# Altium PCB RockerBox_1_SiC780A_Rev01.PcbDoc (part 4 of 5)
Units mil, origin at the board's own origin, x right, y up, seen from the top; angles counter-clockwise.
Board outline 3937.01 x 3937.01 mil, 4 copper layers (L1, L2, L3, L4), stack 62.087 mil thick; 390 components, 96 nets, 1487 pads, 1631 vias.
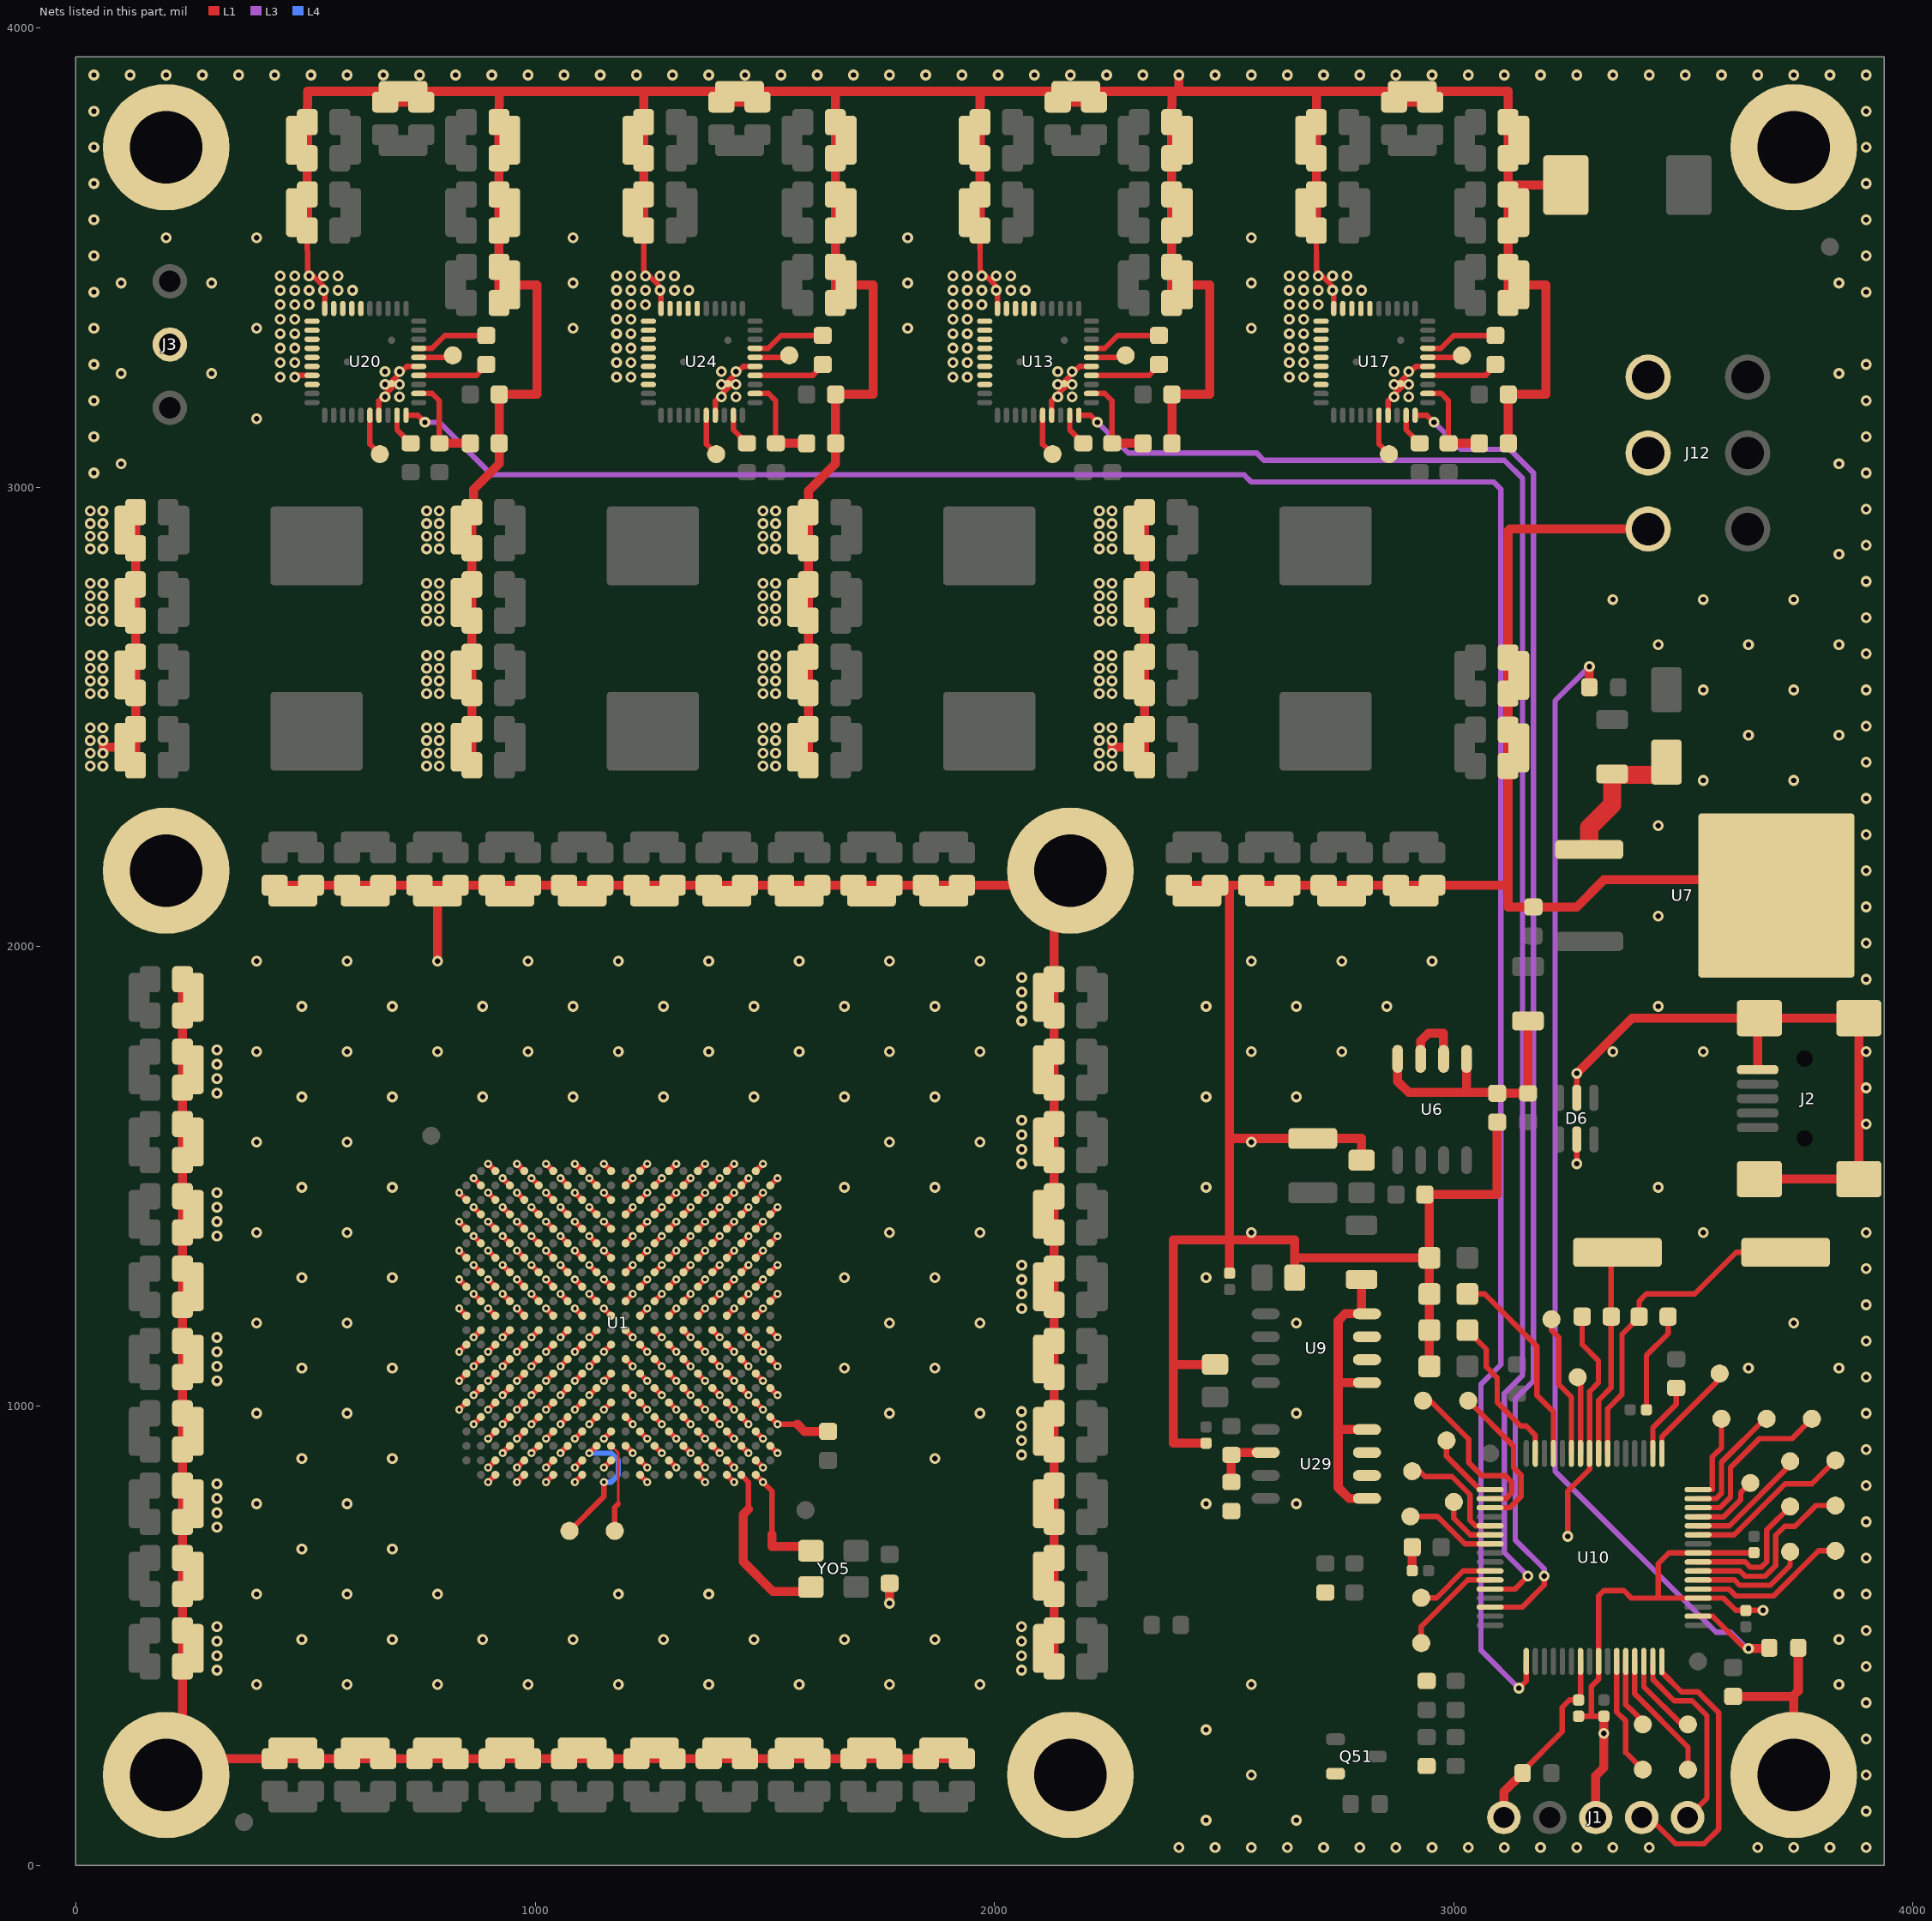
[diagram p6: the nets of this part, all layers, seen from the top]

## Via types
v1: diameter 23.62/23.62/23.62 (per signal layer), hole 11.81, L1 to L4, 1168 vias
v2: diameter 17.72/17.72/17.72 (per signal layer), hole 7.87, L1 to L4, 463 vias

## Nets (pads, with @x,y where several pads share a name; then routed paths per layer and width w, separated by ;. In a path a pad name is that pad's centre, name@x,y a point inside that pad or via, vN(x,y) a via of type N, cw(c..) or ccw(c..) an arc to the next point about the centre after c; other vN are vias at no path point) (continued)
GND: C1.1 C2.2 C3.2 C4.2 C5.2 C6.2 C7.2 C8.2 C9.2 C10.2 C11.2 C12.2 C13.1 C14.2 C15.2 C16.2 C17.2 C18.1 C19.1 C20.2 C21.2 C22.1 C23.2 C24.2 C25.2 C26.2 C36.1 C37.2 C38.2 C39.2 C40.2 C41.1 C42.1 C43.1 C47.1 C49.2 C50.2 C51.2 C52.2 C54.1 C58.2 C62.1 C63.1 C65.2 C66.2 C67.2 C68.2 C69.2 C70.2 C71.2 C74.1 C75.1 C76.1 C77.1 C78.1 C79.1 C80.1 C81.1 C85.1 C89.2 C90.2 C91.2 C92.1 C94.2 C95.2 C96.1 C97.2 C98.2 C99.1 C100.2 C101.1 C102.1 C106.2 C107.1 C108.2 C109.2 C110.2 C111.2 C112.2 C113.2 C114.2 C115.2 C116.2 C117.1 C118.2 C119.2 C120.2 C121.2 C122.2 C123.2 C124.2 C126.2 C127.2 C128.2 C130.2 C131.2 C132.1 C133.1 C134.1 C138.2 C139.2 C140.1 C141.2 C142.2 C143.1 C144.2 C145.2 C146.1 C147.2 C148.1 C149.1 C150.1 C151.1 C152.1 C153.1 C154.1 C155.1 C156.1 C157.1 C158.1 C159.1 C160.1 C161.1 C162.1 C163.1 C164.1 C165.1 C166.2 C167.1 C168.1 C169.2 C170.2 C172.2 C173.2 C174.1 C175.2 C176.2 C177.1 C178.1 C179.1 C180.1 C181.1 C182.1 C183.1 C184.1 C185.1 C186.1 C187.2 C188.2 C189.1 C190.2 C191.2 C192.1 C193.2 C194.2 C195.1 C196.2 C197.2 C199.2 C200.2 C202.2 C203.2 C205.2 C206.1 C207.1 C208.1 C209.1 C210.1 C211.1 C212.1 C213.1 C214.1 C215.1 C216.1 C217.1 C218.1 C219.1 C220.1 C221.1 C222.1 C223.1 C224.1 C225.1 C226.1 C227.1 C228.1 C229.1 C230.1 C231.2 C232.2 C233.1 C234.1 C235.1 C236.1 C237.1 C238.1 C239.1 C240.1 C241.1 C242.1 C243.1 C244.1 C245.1 C246.1 C247.1 C248.1 C249.1 C250.1 C251.1 C252.1 C253.1 C254.1 C255.1 C256.1 C258.1 C259.1 C260.1 C261.1 C262.1 C263.2 C264.2 C265.2 C266.2 C267.1 C268.2 C269.2 C270.1 C271.2 C272.2 C273.1 C274.2 C275.2 C276.1 C331.2 C332.2 C333.2 C334.2 C347.2 C373.1 C374.1 C375.1 C376.1 C377.1 C378.2 C379.2 C380.2 C381.1 C382.1 C397.1 C398.1 C399.1 C400.1 C401.1 C404.1 C405.1 C406.1 C407.1 C596.1 C598.2 C599.1 C600.2 C602.1 C603.2 C605.1 C606.2 C640.2 C642.2 C652.2 C653.1 C654.2 C655.2 C656.1 C657.2 C658.2 C659.1 C660.2 C661.2 C662.1 C663.2 C664.2 C665.1 C666.2 C667.2 C668.1 C669.2 C711.2 C814.2 D1.1 D2.1 D3.1 D4.1 D6.2 D6.5 D28.2 J1.3 J2.5 J2.6 J2.7 J2.8 J2.9 J3.2 J9.1 J12.4 J12.5 J12.6 J13.1 J14.1 J15.1 J22.1 J23.1 J24.1 Q51.2 R5.1 R8.2 R22.2 R28.2 R29.2 U1.A2 U1.A4 U1.A6 U1.A8 U1.A10 U1.A12 U1.A14 U1.A16 U1.A18 U1.A20 U1.AA2 U1.AA4 U1.AA6 U1.AA8 U1.AA10 U1.AA12 U1.AA14 U1.AA16 U1.AA18 U1.AB3 U1.AB5 U1.AB7 U1.AB9 U1.AB11 U1.AB13 U1.AB15 U1.AB17 U1.B1 U1.B3 U1.B5 U1.B7 U1.B9 U1.B11 U1.B13 U1.B15 U1.B17 U1.B19 U1.B21 U1.B22 U1.C2 U1.C4 U1.C6 U1.C8 U1.C10 U1.C12 U1.C14 U1.C16 U1.C18 U1.C20 U1.D1 U1.D3 U1.D5 U1.D7 U1.D9 U1.D11 U1.D13 U1.D15 U1.D17 U1.D19 U1.D21 U1.D22 U1.E2 U1.E4 U1.E6 U1.E8 U1.E10 U1.E12 U1.E14 U1.E16 U1.E18 U1.E20 U1.F1 U1.F3 U1.F5 U1.F7 U1.F9 U1.F11 U1.F13 U1.F15 U1.F17 U1.F19 U1.F21 U1.F22 U1.G2 U1.G4 U1.G6 U1.G8 U1.G10 U1.G12 U1.G14 U1.G16 U1.G18 U1.G20 U1.H1 U1.H3 U1.H5 U1.H7 U1.H9 U1.H11 U1.H13 U1.H15 U1.H17 U1.H19 U1.H21 U1.H22 U1.J2 U1.J4 U1.J6 U1.J8 U1.J10 U1.J12 U1.J14 U1.J16 U1.J18 U1.J20 U1.K1 U1.K3 U1.K5 U1.K7 U1.K9 U1.K11 U1.K13 U1.K15 U1.K17 U1.K19 U1.K21 U1.K22 U1.L2 U1.L4 U1.L6 U1.L8 U1.L10 U1.L12 U1.L14 U1.L16 U1.L18 U1.L20 U1.M1 U1.M3 U1.M5 U1.M7 U1.M9 U1.M11 U1.M13 U1.M15 U1.M17 U1.M19 U1.M21 U1.N2 U1.N4 U1.N6 U1.N8 U1.N10 U1.N12 U1.N14 U1.N16 U1.N18 U1.P1 U1.P3 U1.P5 U1.P7 U1.P9 U1.P11 U1.P13 U1.P15 U1.P17 U1.P19 U1.P21 U1.P22 U1.R2 U1.R4 U1.R6 U1.R8 U1.R10 U1.R12 U1.R14 U1.R16 U1.R18 U1.R20 U1.T1 U1.T3 U1.T5 U1.T7 U1.T9 U1.T11 U1.T13 U1.T15 U1.T17 U1.T19 U1.T21 U1.T22 U1.U2 U1.U4 U1.U6 U1.U8 U1.U10 U1.U12 U1.U14 U1.U16 U1.U18 U1.U20 U1.V1 U1.V3 U1.V5 U1.V7 U1.V9 U1.V11 U1.V13 U1.V15 U1.V17 U1.V19 U1.V21 U1.V22 U1.W2 U1.W4 U1.W6 U1.W8 U1.W10 U1.W12 U1.W14 U1.W16 U1.W18 U1.W20 U1.Y1 U1.Y3 U1.Y5 U1.Y7 U1.Y9 U1.Y11 U1.Y13 U1.Y15 U1.Y17 U1.Y19 U1.Y21 U1.Y22 U6.6 U6.7 U7.4 U9.6 U9.7 U10.9 U10.20 U10.25 U10.41 U13.5 U13.16 U13.17 U13.18 U13.19 U13.20 U13.21 U13.22 U13.23 U13.24 U13.25 U13.26 U13.27 U13.28 U13.37 U13.41 U17.5 U17.16 U17.17 U17.18 U17.19 U17.20 U17.21 U17.22 U17.23 U17.24 U17.25 U17.26 U17.27 U17.28 U17.37 U17.41 U20.5 U20.16 U20.17 U20.18 U20.19 U20.20 U20.21 U20.22 U20.23 U20.24 U20.25 U20.26 U20.27 U20.28 U20.37 U20.41 U24.5 U24.16 U24.17 U24.18 U24.19 U24.20 U24.21 U24.22 U24.23 U24.24 U24.25 U24.26 U24.27 U24.28 U24.37 U24.41 U29.6 U29.7 YO5.2 | length 36519
  L1 w11.81: v1(476.38,3240.16) 476.38,3243.69 U20.27@514.23,3243.69 ; C711.2@503.94,3559.06 504.39,3472.44 541.79,3435.04 U20.20@541.79,3389.36 ; U20.37@659.9,3157.07 659.9,3188.98 670.5,3199.58 688.98,3218.05 688.98,3224.45 U20.41@687.46,3225.97 687.46,3230.36 693.12,3236.02 706.9,3249.8 720.47,3263.37 U20.5@746.51,3263.37 ; v2(834.65,992.13) U1.AB17@850.39,1007.87 ; v2(834.65,1055.12) U1.AB15@850.39,1070.87 ; v2(834.65,1118.11) U1.AB13@850.39,1133.86 ; v2(834.65,1212.6) U1.AB11@850.39,1196.85 ; v2(834.65,1275.59) U1.AB9@850.39,1259.84 ; v2(834.65,1338.58) U1.AB7@850.39,1322.83 ; v2(834.65,1401.57) U1.AB5@850.39,1385.83 ; v2(834.65,1464.57) U1.AB3@850.39,1448.82 ; v2(866.14,960.63) U1.AA18@881.89,976.38 ; v2(866.14,1023.62) U1.AA16@881.89,1039.37 ; v2(866.14,1086.61) U1.AA14@881.89,1102.36 ; v2(866.14,1149.61) U1.AA12@881.89,1165.35 ; v2(866.14,1244.09) U1.AA10@881.89,1228.35 ; v2(866.14,1307.09) U1.AA8@881.89,1291.34 ; v2(866.14,1370.08) U1.AA6@881.89,1354.33 ; v2(866.14,1433.07) U1.AA4@881.89,1417.32 ; v2(866.14,1496.06) U1.AA2@881.89,1480.31 ; v2(897.64,834.65) U1.Y22@913.39,850.39 ; v2(897.64,866.14) U1.Y21@913.39,881.89 ; v2(897.64,929.13) U1.Y19@913.39,944.88 ; v2(897.64,992.13) U1.Y17@913.39,1007.87 ; v2(897.64,1055.12) U1.Y15@913.39,1070.87 ; v2(897.64,1118.11) U1.Y13@913.39,1133.86 ; v2(897.64,1212.6) U1.Y11@913.39,1196.85 ; v2(897.64,1275.59) U1.Y9@913.39,1259.84 ; v2(897.64,1338.58) U1.Y7@913.39,1322.83 ; v2(897.64,1401.57) U1.Y5@913.39,1385.83 ; v2(897.64,1464.57) U1.Y3@913.39,1448.82 ; v2(897.64,1527.56) U1.Y1@913.39,1511.81 ; v2(929.13,897.64) U1.W20@944.88,913.39 ; v2(929.13,960.63) U1.W18@944.88,976.38 ; v2(929.13,1023.62) U1.W16@944.88,1039.37 ; v2(929.13,1086.61) U1.W14@944.88,1102.36 ; v2(929.13,1149.61) U1.W12@944.88,1165.35 ; v2(929.13,1244.09) U1.W10@944.88,1228.35 ; v2(929.13,1307.09) U1.W8@944.88,1291.34 ; v2(929.13,1370.08) U1.W6@944.88,1354.33 ; v2(929.13,1433.07) U1.W4@944.88,1417.32 ; v2(929.13,1496.06) U1.W2@944.88,1480.31 ; v2(960.63,834.65) U1.V22@976.38,850.39 ; v2(960.63,866.14) U1.V21@976.38,881.89 ; v2(960.63,929.13) U1.V19@976.38,944.88 ; v2(960.63,992.13) U1.V17@976.38,1007.87 ; v2(960.63,1055.12) U1.V15@976.38,1070.87 ; v2(960.63,1118.11) U1.V13@976.38,1133.86 ; v2(960.63,1212.6) U1.V11@976.38,1196.85 ; v2(960.63,1275.59) U1.V9@976.38,1259.84 ; v2(960.63,1338.58) U1.V7@976.38,1322.83 ; v2(960.63,1401.57) U1.V5@976.38,1385.83 ; v2(960.63,1464.57) U1.V3@976.38,1448.82 ; v2(960.63,1527.56) U1.V1@976.38,1511.81 ; v2(992.13,897.64) U1.U20@1007.87,913.39 ; v2(992.13,960.63) U1.U18@1007.87,976.38 ; v2(992.13,1023.62) U1.U16@1007.87,1039.37 ; v2(992.13,1086.61) U1.U14@1007.87,1102.36 ; v2(992.13,1149.61) U1.U12@1007.87,1165.35 ; v2(992.13,1244.09) U1.U10@1007.87,1228.35 ; v2(992.13,1307.09) U1.U8@1007.87,1291.34 ; v2(992.13,1370.08) U1.U6@1007.87,1354.33 ; v2(992.13,1433.07) U1.U4@1007.87,1417.32 ; v2(992.13,1496.06) U1.U2@1007.87,1480.31 ; v2(1023.62,834.65) U1.T22@1039.37,850.39 ; v2(1023.62,866.14) U1.T21@1039.37,881.89 ; v2(1023.62,929.13) U1.T19@1039.37,944.88 ; v2(1023.62,992.13) U1.T17@1039.37,1007.87 ; v2(1023.62,1055.12) U1.T15@1039.37,1070.87 ; v2(1023.62,1118.11) U1.T13@1039.37,1133.86 ; v2(1023.62,1212.6) U1.T11@1039.37,1196.85 ; v2(1023.62,1275.59) U1.T9@1039.37,1259.84 ; v2(1023.62,1338.58) U1.T7@1039.37,1322.83 ; v2(1023.62,1401.57) U1.T5@1039.37,1385.83 ; v2(1023.62,1464.57) U1.T3@1039.37,1448.82 ; v2(1023.62,1527.56) U1.T1@1039.37,1511.81 ; v2(1055.12,897.64) U1.R20@1070.87,913.39 ; v2(1055.12,960.63) U1.R18@1070.87,976.38 ; v2(1055.12,1023.62) U1.R16@1070.87,1039.37 ; v2(1055.12,1086.61) U1.R14@1070.87,1102.36 ; v2(1055.12,1149.61) U1.R12@1070.87,1165.35 ; v2(1055.12,1244.09) U1.R10@1070.87,1228.35 ; v2(1055.12,1307.09) U1.R8@1070.87,1291.34 ; v2(1055.12,1370.08) U1.R6@1070.87,1354.33 ; v2(1055.12,1433.07) U1.R4@1070.87,1417.32 ; v2(1055.12,1496.06) U1.R2@1070.87,1480.31 ; v2(1086.61,834.65) U1.P22@1102.36,850.39 ; v2(1086.61,866.14) U1.P21@1102.36,881.89 ; v2(1086.61,929.13) U1.P19@1102.36,944.88 ; v2(1086.61,992.13) U1.P17@1102.36,1007.87 ; v2(1086.61,1055.12) U1.P15@1102.36,1070.87 ; v2(1086.61,1118.11) U1.P13@1102.36,1133.86 ; v2(1086.61,1212.6) U1.P11@1102.36,1196.85 ; v2(1086.61,1275.59) U1.P9@1102.36,1259.84 ; v2(1086.61,1338.58) U1.P7@1102.36,1322.83 ; v2(1086.61,1401.57) U1.P5@1102.36,1385.83 ; v2(1086.61,1464.57) U1.P3@1102.36,1448.82 ; v2(1086.61,1527.56) U1.P1@1102.36,1511.81 ; v2(1118.11,960.63) U1.N18@1133.86,976.38 ; v2(1118.11,1023.62) U1.N16@1133.86,1039.37 ; v2(1118.11,1086.61) U1.N14@1133.86,1102.36 ; v2(1118.11,1149.61) U1.N12@1133.86,1165.35 ; v2(1118.11,1244.09) U1.N10@1133.86,1228.35 ; v2(1118.11,1307.09) U1.N8@1133.86,1291.34 ; v2(1118.11,1370.08) U1.N6@1133.86,1354.33 ; v2(1118.11,1433.07) U1.N4@1133.86,1417.32 ; v2(1118.11,1496.06) U1.N2@1133.86,1480.31 ; v2(1149.61,866.14) U1.M21@1165.35,881.89 ; v2(1149.61,929.13) U1.M19@1165.35,944.88 ; v2(1149.61,992.13) U1.M17@1165.35,1007.87 ; v2(1149.61,1055.12) U1.M15@1165.35,1070.87 ; v2(1149.61,1118.11) U1.M13@1165.35,1133.86 ; v2(1149.61,1212.6) U1.M11@1165.35,1196.85 ; v2(1149.61,1275.59) U1.M9@1165.35,1259.84 ; v2(1149.61,1338.58) U1.M7@1165.35,1322.83 ; v2(1149.61,1401.57) U1.M5@1165.35,1385.83 ; v2(1149.61,1464.57) U1.M3@1165.35,1448.82 ; v2(1149.61,1527.56) U1.M1@1165.35,1511.81 ; U1.L20@1196.85,913.39 v2(1212.6,897.64) ; U1.L18@1196.85,976.38 v2(1212.6,960.63) ; U1.L16@1196.85,1039.37 v2(1212.6,1023.62) ; U1.L14@1196.85,1102.36 v2(1212.6,1086.61) ; U1.L12@1196.85,1165.35 v2(1212.6,1149.61) ; U1.L10@1196.85,1228.35 v2(1212.6,1244.09) ; U1.L8@1196.85,1291.34 v2(1212.6,1307.09) ; U1.L6@1196.85,1354.33 v2(1212.6,1370.08) ; U1.L4@1196.85,1417.32 v2(1212.6,1433.07) ; U1.L2@1196.85,1480.31 v2(1212.6,1496.06) ; U1.K22@1228.35,850.39 v2(1244.09,834.65) ; U1.K21@1228.35,881.89 v2(1244.09,866.14) ; U1.K19@1228.35,944.88 v2(1244.09,929.13) ; U1.K17@1228.35,1007.87 v2(1244.09,992.13) ; U1.K15@1228.35,1070.87 v2(1244.09,1055.12) ; U1.K13@1228.35,1133.86 v2(1244.09,1118.11) ; U1.K11@1228.35,1196.85 v2(1244.09,1212.6) ; U1.K9@1228.35,1259.84 v2(1244.09,1275.59) ; U1.K7@1228.35,1322.83 v2(1244.09,1338.58) ; U1.K5@1228.35,1385.83 v2(1244.09,1401.57) ; U1.K3@1228.35,1448.82 v2(1244.09,1464.57) ; U1.K1@1228.35,1511.81 v2(1244.09,1527.56) ; C115.2@1236.22,3559.06 1236.67,3472.44 1244.32,3464.79 1274.07,3435.04 U24.20@1274.07,3389.36 ; U1.J20@1259.84,913.39 v2(1275.59,897.64) ; U1.J18@1259.84,976.38 v2(1275.59,960.63) ; U1.J16@1259.84,1039.37 v2(1275.59,1023.62) ; U1.J14@1259.84,1102.36 v2(1275.59,1086.61) ; U1.J12@1259.84,1165.35 v2(1275.59,1149.61) ; U1.J10@1259.84,1228.35 v2(1275.59,1244.09) ; U1.J8@1259.84,1291.34 v2(1275.59,1307.09) ; U1.J6@1259.84,1354.33 v2(1275.59,1370.08) ; U1.J4@1259.84,1417.32 v2(1275.59,1433.07) ; U1.J2@1259.84,1480.31 v2(1275.59,1496.06) ; U1.H21@1291.34,881.89 v2(1307.09,866.14) ; U1.H19@1291.34,944.88 v2(1307.09,929.13) ; U1.H17@1291.34,1007.87 v2(1307.09,992.13) ; U1.H15@1291.34,1070.87 v2(1307.09,1055.12) ; U1.H13@1291.34,1133.86 v2(1307.09,1118.11) ; U1.H11@1291.34,1196.85 v2(1307.09,1212.6) ; U1.H9@1291.34,1259.84 v2(1307.09,1275.59) ; U1.H7@1291.34,1322.83 v2(1307.09,1338.58) ; U1.H5@1291.34,1385.83 v2(1307.09,1401.57) ; U1.H3@1291.34,1448.82 v2(1307.09,1464.57) ; U1.H1@1291.34,1511.81 v2(1307.09,1527.56) ; U1.G20@1322.83,913.39 v2(1338.58,897.64) ; U1.G18@1322.83,976.38 v2(1338.58,960.63) ; U1.G16@1322.83,1039.37 v2(1338.58,1023.62) ; U1.G14@1322.83,1102.36 v2(1338.58,1086.61) ; U1.G12@1322.83,1165.35 v2(1338.58,1149.61) ; U1.G10@1322.83,1228.35 v2(1338.58,1244.09) ; U1.G8@1322.83,1291.34 v2(1338.58,1307.09) ; U1.G6@1322.83,1354.33 v2(1338.58,1370.08) ; U1.G4@1322.83,1417.32 v2(1338.58,1433.07) ; U1.G2@1322.83,1480.31 v2(1338.58,1496.06) ; U1.F22@1354.33,850.39 v2(1370.08,834.65) ; U1.F21@1354.33,881.89 v2(1370.08,866.14) ; U1.F19@1354.33,944.88 v2(1370.08,929.13) ; U1.F17@1354.33,1007.87 v2(1370.08,992.13) ; U1.F15@1354.33,1070.87 v2(1370.08,1055.12) ; U1.F13@1354.33,1133.86 v2(1370.08,1118.11) ; U1.F11@1354.33,1196.85 v2(1370.08,1212.6) ; U1.F9@1354.33,1259.84 v2(1370.08,1275.59) ; U1.F7@1354.33,1322.83 v2(1370.08,1338.58) ; U1.F5@1354.33,1385.83 v2(1370.08,1401.57) ; U1.F3@1354.33,1448.82 v2(1370.08,1464.57) ; U1.F1@1354.33,1511.81 v2(1370.08,1527.56) ; U1.E20@1385.83,913.39 v2(1401.57,897.64) ; U1.E18@1385.83,976.38 v2(1401.57,960.63) ; U1.E16@1385.83,1039.37 v2(1401.57,1023.62) ; U1.E14@1385.83,1102.36 v2(1401.57,1086.61) ; U1.E12@1385.83,1165.35 v2(1401.57,1149.61) ; U1.E10@1385.83,1228.35 v2(1401.57,1244.09) ; U1.E8@1385.83,1291.34 v2(1401.57,1307.09) ; U1.E6@1385.83,1354.33 v2(1401.57,1370.08) ; U1.E4@1385.83,1417.32 v2(1401.57,1433.07) ; U1.E2@1385.83,1480.31 v2(1401.57,1496.06) ; U24.37@1392.18,3157.07 1392.18,3188.98 1402.78,3199.58 1416.56,3213.36 1421.26,3218.05 1421.26,3224.45 U24.41@1419.74,3225.97 1419.74,3230.36 1425.4,3236.02 1439.18,3249.8 1452.76,3263.37 U24.5@1478.8,3263.37 ; U1.D22@1417.32,850.39 v2(1433.07,834.65) ; U1.D21@1417.32,881.89 v2(1433.07,866.14) ; U1.D19@1417.32,944.88 v2(1433.07,929.13) ; U1.D17@1417.32,1007.87 v2(1433.07,992.13) ; U1.D15@1417.32,1070.87 v2(1433.07,1055.12) ; U1.D13@1417.32,1133.86 v2(1433.07,1118.11) ; U1.D11@1417.32,1196.85 v2(1433.07,1212.6) ; U1.D9@1417.32,1259.84 v2(1433.07,1275.59) ; U1.D7@1417.32,1322.83 v2(1433.07,1338.58) ; U1.D5@1417.32,1385.83 v2(1433.07,1401.57) ; U1.D3@1417.32,1448.82 v2(1433.07,1464.57) ; U1.D1@1417.32,1511.81 v2(1433.07,1527.56) ; U1.C20@1448.82,913.39 v2(1464.57,897.64) ; U1.C18@1448.82,976.38 v2(1464.57,960.63) ; U1.C16@1448.82,1039.37 v2(1464.57,1023.62) ; U1.C14@1448.82,1102.36 v2(1464.57,1086.61) ; U1.C12@1448.82,1165.35 v2(1464.57,1149.61) ; U1.C10@1448.82,1228.35 v2(1464.57,1244.09) ; U1.C8@1448.82,1291.34 v2(1464.57,1307.09) ; U1.C6@1448.82,1354.33 v2(1464.57,1370.08) ; U1.C4@1448.82,1417.32 v2(1464.57,1433.07) ; U1.C2@1448.82,1480.31 v2(1464.57,1496.06) ; U1.B22@1480.31,850.39 v2(1496.06,834.65) 1515.75,814.96 1515.75,720.47 ; U1.B21@1480.31,881.89 v2(1496.06,866.14) ; U1.B19@1480.31,944.88 v2(1496.06,929.13) ; U1.B17@1480.31,1007.87 v2(1496.06,992.13) ; U1.B15@1480.31,1070.87 v2(1496.06,1055.12) ; U1.B13@1480.31,1133.86 v2(1496.06,1118.11) ; U1.B11@1480.31,1196.85 v2(1496.06,1212.6) ; U1.B9@1480.31,1259.84 v2(1496.06,1275.59) ; U1.B7@1480.31,1322.83 v2(1496.06,1338.58) ; U1.B5@1480.31,1385.83 v2(1496.06,1401.57) ; U1.B3@1480.31,1448.82 v2(1496.06,1464.57) ; U1.B1@1480.31,1511.81 v2(1496.06,1527.56) ; U1.A20@1511.81,913.39 v2(1527.56,897.64) ; U1.A18@1511.81,976.38 v2(1527.56,960.63) 1571.06,960.63 ; U1.A16@1511.81,1039.37 v2(1527.56,1023.62) ; U1.A14@1511.81,1102.36 v2(1527.56,1086.61) ; U1.A12@1511.81,1165.35 v2(1527.56,1149.61) ; U1.A10@1511.81,1228.35 v2(1527.56,1244.09) ; U1.A8@1511.81,1291.34 v2(1527.56,1307.09) ; U1.A6@1511.81,1354.33 v2(1527.56,1370.08) ; U1.A4@1511.81,1417.32 v2(1527.56,1433.07) ; U1.A2@1511.81,1480.31 v2(1527.56,1496.06) ; C640.2@1968.5,3559.06 1968.96,3472.44 1976.6,3464.79 1992.35,3449.04 2006.36,3435.04 U13.20@2006.36,3389.36 ; U13.37@2124.47,3157.07 2124.47,3188.98 2135.07,3199.58 2148.85,3213.36 2153.54,3218.05 2153.54,3224.45 U13.41@2152.03,3225.97 2152.03,3230.36 2157.68,3236.02 2171.46,3249.8 2185.04,3263.37 U13.5@2211.08,3263.37 ; C126.2@2700.79,3559.06 2701.24,3472.44 2738.64,3435.04 U17.20@2738.64,3389.36 ; U17.37@2856.75,3157.07 2856.75,3188.98 2867.35,3199.58 2885.83,3218.05 2885.83,3224.45 U17.41@2884.31,3225.97 2884.31,3230.36 2889.97,3236.02 2903.75,3249.8 2917.32,3263.37 U17.5@2943.36,3263.37 ; v1(3248.03,716.54) 3248.03,814.67 3295.57,862.2 3295.57,1031.79 3314.96,1051.18 3314.96,1098.43 3279.53,1133.86 C11.2@3279.53,1194.88 ; v1(3267.72,1527.56) D6.5@3267.72,1580.71 ; D6.2@3267.72,1671.26 v1(3267.72,1724.41) ; C5.2@3271.65,324.8 3299.51,324.8 ; C9.2@3326.77,324.8 3299.51,324.8 ; C4.2@3419.29,992.13 3419.29,1110.24 3466.54,1157.48 C10.2@3466.54,1194.88 ; C8.2@3653.54,681.1 3652.88,680.44 U10.25@3531.79,680.44 3468.5,680.44 3444.88,656.81 3444.88,582.01 ; v1(3673.23,555.12) C6.2@3635.83,555.12 3614.17,555.12 3587.28,582.01 U10.20@3531.79,582.01 3444.88,582.01 ; 3299.51,324.8 3299.51,389.76 3315.26,405.51 U10.9@3315.26,444.21 3315.26,586.91 3326.77,598.43 3370.08,598.43 3386.49,582.01 3444.88,582.01